# KiCad board backplane-breaout-big.kicad_pcb (continued)
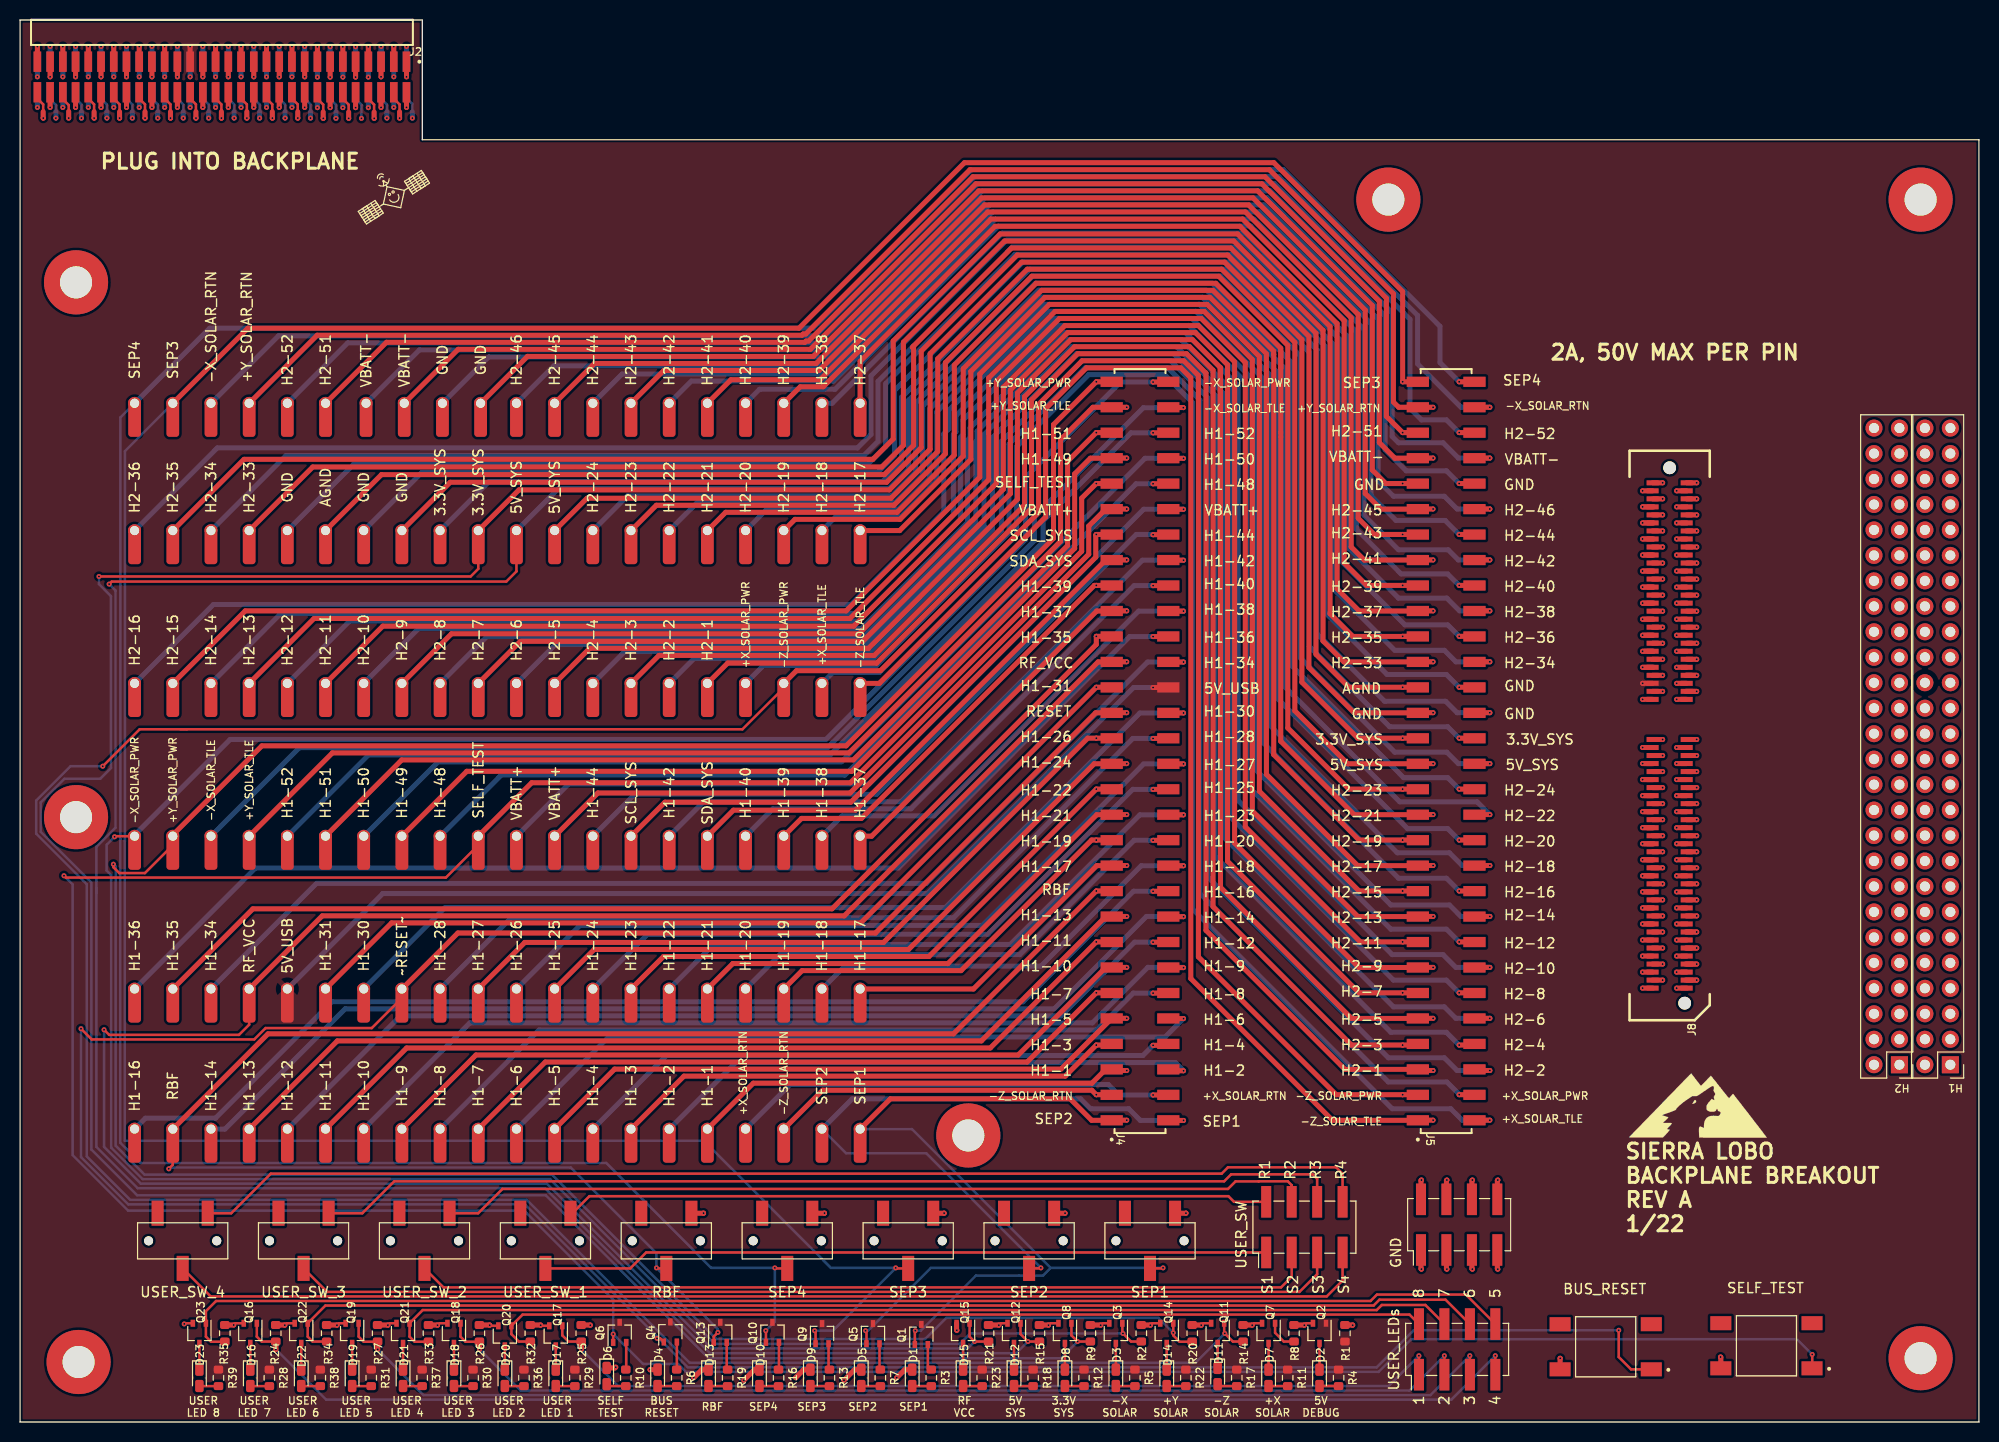
[diagram p0: board, top side]
## Routing (per net, layer and track width the routed paths; a pad name or vN(x,y) marks a point on that pad's centre or on a via; arc(x,y) is an arc through that point) (continued)
  In4.Cu w0.4: 184.58,44.5 186.23,44.5 H2.9
  In4.Cu w0.5: 30.86,129.54 30.86,127.13 36.46,121.53 82.31,121.53 96.27,107.57 96.27,91.82 87,82.55 46.98,82.55 TP14.1 ; v1(140.99,45.34) 142.82,47.17 151.35,47.17 157.75,53.57 163,53.57 163.6,52.97 164.4,52.97 165.1,53.67 v1(167.29,53.67) 176.46,44.5 184.58,44.5
  Bottom w0.5: 30.94,135.65 v1(30.94,137.16)
/H2-10: length 391.1
  Top w0.5: 145.12,45.34 v1(146.65,45.34) ; J8.28 v1(163.89,53.67)
  In2.Cu w0.5: v1(31.52,130.02) 31.52,124.69 37.98,118.23 82.56,118.23 96.14,104.65 96.14,94.68 82.49,81.03 41.65,81.03 TP74.1 ; H2.10 178.23,45.79 171.15,52.87 167.1,52.87 166.3,53.67 v1(163.89,53.67) 154.98,53.67 v1(146.65,45.34)
  Bottom w0.25: 31.52,130.84 31.52,131.39 30.94,131.97
  Bottom w0.5: v1(146.65,45.34) 143.26,45.34 141.99,46.61 136.91,46.61 121.54,61.98 121.54,103.38 116.25,108.67 104.33,108.67 94.78,99.12 94.78,98.18 94.53,97.93 94.53,89.7 83.95,79.12 39.75,79.12 TP74.1 ; v1(31.52,130.02) 31.52,130.03 31.52,130.65
/H2-11: length 411.8
  Top w0.5: J8.31 v1(167.29,55.27) ; TP16.1 36.19,79.37 83.19,79.37 97.41,93.6 97.41,103.76 103.71,110.06 117.85,110.06 122.25,105.66 122.25,59.36 133.73,47.88 v1(137.95,47.88) 139.47,47.88
  In4.Cu w0.25: v1(29.67,134.14) 29.09,133.56 29.09,130.85 29.59,130.35 29.59,129.67
  In4.Cu w0.4: H2.11 186.27,47.08 184.56,47.08
  In4.Cu w0.5: 29.59,129.67 29.59,127.13 35.89,120.82 81.87,120.82 95.5,107.19 95.5,92.2 86.67,83.37 40.19,83.37 TP16.1 ; v1(137.95,47.88) 139.44,49.37 150.35,49.37 156.15,55.17 162.95,55.17 163.55,54.57 164.4,54.57 165.1,55.27 v1(167.29,55.27) 175.48,47.08 184.56,47.08
  Bottom w0.5: 29.67,135.65 v1(29.67,134.14)
/H2-12: length 404.9
  Top w0.5: 162.75,55.27 v1(163.89,55.27) ; 145.12,47.88 v1(143.59,47.88)
  In2.Cu w0.25: 29.72,129.54 29.67,129.59 v1(29.67,131.09)
  In2.Cu w0.5: H2.12 177.69,48.33 171.55,54.47 167.1,54.47 166.3,55.27 v1(163.89,55.27) 154.35,55.27 146.96,47.88 v1(143.59,47.88) ; 29.72,129.54 29.72,125.22 37.53,117.41 82.39,117.41 95.38,104.42 95.38,95 82.11,81.73 34.73,81.73 TP76.1
  Bottom w0.5: TP76.1 32.89,79.88 83.69,79.88 93.83,90.02 93.83,98.22 94.08,98.47 94.08,99.92 103.53,109.37 116.61,109.37 122.43,103.55 122.43,63.5 136.78,49.15 142.32,49.15 v1(143.59,47.88) ; 29.67,132.6 v1(29.67,131.09)
/H2-13: length 425.8
  Top w0.5: 139.47,50.42 140.95,50.42 ; TP18.1 29.33,80.14 82.8,80.14 96.65,93.98 96.65,104.14 103.27,110.76 118.14,110.76 122.95,105.95 122.95,60.94 133.49,50.41 J5.17 ; J8.35 v1(167.29,56.87)
  In4.Cu w0.25: v1(28.4,137.19) 27.82,136.61 27.82,130.76 28.32,130.26 28.32,129.54
  In4.Cu w0.4: 184.56,49.58 186.23,49.58 H2.13
  In4.Cu w0.5: 184.56,49.58 174.58,49.58 v1(167.29,56.87) 164.89,56.87 164.18,56.17 163.6,56.17 163,56.77 155.05,56.77 149.4,51.12 141.69,51.12 v1(140.99,50.42) ; TP18.1 33.27,84.07 86.23,84.07 94.74,92.58 94.74,106.81 81.43,120.12 35.6,120.12 28.32,127.4 28.32,129.67
  Bottom w0.5: 28.4,135.68 v1(28.4,137.19)
/H2-14: length 416.5
  Top w0.5: 145.12,50.42 v1(146.65,50.42) ; J8.36 v1(163.89,56.87)
  In2.Cu w0.5: H2.14 177.25,50.87 172.05,56.07 167.1,56.07 166.3,56.87 v1(163.89,56.87) 153.1,56.87 v1(146.65,50.42) ; TP78.1 27.82,82.43 81.8,82.43 94.55,95.18 94.55,104.08 81.92,116.7 36.97,116.7 28.98,124.69 v1(28.98,130.05)
  Bottom w0.25: 28.98,130.86 28.98,131.42 28.4,132
  Bottom w0.5: v1(146.65,50.42) 143.76,50.42 142.62,51.56 136.78,51.56 123.18,65.16 123.18,103.79 116.9,110.08 103.09,110.08 93.38,100.36 93.38,98.76 93.12,98.51 93.12,90.46 83.31,80.64 26.03,80.64 TP78.1 ; v1(28.98,130.05) 28.98,130.05 28.98,130.68
/H2-15: length 436.9
  Top w0.5: TP20.1 22.47,80.9 82.42,80.9 95.76,94.23 95.76,104.52 102.7,111.46 118.43,111.46 123.66,106.24 123.66,62.91 133.6,52.96 v1(137.95,52.96) 139.47,52.96 ; J8.39 v1(167.29,58.47)
  In4.Cu w0.25: 27.05,129.54 27.05,130.26 26.55,130.76 26.55,133.59 v1(27.13,134.16)
  In4.Cu w0.4: H2.15 186.27,52.16 184.14,52.16
  In4.Cu w0.5: TP20.1 26.41,84.84 85.98,84.84 93.98,92.84 93.98,106.43 80.99,119.42 35.31,119.42 27.05,127.68 27.05,129.67 ; 184.44,52.16 173.6,52.16 v1(167.29,58.47) 165.1,58.47 164.4,57.77 163.6,57.77 163,58.37 153.35,58.37 148.85,53.87 138.86,53.87 v1(137.95,52.96)
  Bottom w0.5: v1(27.13,134.16) 27.13,135.67
/H2-16: length 429.1
  Top w0.5: 145.12,52.96 v1(143.59,52.96) ; J8.40 v1(163.89,58.47)
  In2.Cu w0.25: v1(27.13,131.11) 27.13,129.59 27.18,129.54
  In2.Cu w0.5: 27.18,129.54 27.18,125.5 36.73,115.95 81.68,115.95 93.79,103.84 93.79,95.72 81.21,83.13 20.9,83.13 TP80.1 ; v1(143.59,52.96) 146.74,52.96 152.25,58.47 v1(163.89,58.47) 166.3,58.47 167.1,57.67 172.65,57.67 176.91,53.41 H2.16
  Bottom w0.5: TP80.1 19.3,81.53 82.93,81.53 92.17,90.77 92.17,98.55 92.68,99.05 92.68,100.93 102.52,110.78 117.31,110.78 123.88,104.21 123.88,67.89 137.54,54.23 142.32,54.23 v1(143.59,52.96) ; J1.20 v1(27.13,131.11)
/H2-17: length 283.1
  Top w0.5: TP22.1 87.76,88.91 94.87,96.01 94.87,104.78 102.26,112.17 118.73,112.17 124.36,106.53 124.36,64.59 133.46,55.49 J5.21 ; 139.47,55.5 140.95,55.5 ; J8.43 v1(167.29,60.07)
  In4.Cu w0.25: v1(25.86,137.19) 25.28,136.61 25.28,130.76 25.87,130.17 25.87,129.5
  In4.Cu w0.4: H2.17 186.27,54.7 184.02,54.7
  In4.Cu w0.5: v1(140.99,55.5) 142.46,56.97 148.65,56.97 151.65,59.97 163,59.97 163.7,59.27 164.3,59.27 165.1,60.07 v1(167.29,60.07) 172.66,54.7 184.58,54.7 ; TP22.1 85.73,88.91 85.73,88.93 93.22,96.42 93.22,106.04 80.55,118.72 35.02,118.72 25.87,127.87 25.87,129.5
  Bottom w0.5: 25.86,135.68 v1(25.86,137.19)
/H2-18: length 274.1
  Top w0.5: J8.44 v1(163.89,60.07) ; 145.12,55.5 v1(146.65,55.5)
  In2.Cu w0.5: H2.18 176.67,55.95 173.35,59.27 167.1,59.27 166.3,60.07 v1(163.89,60.07) 151.22,60.07 v1(146.65,55.5) ; TP82.1 82.28,88.91 83.37,89.99 87.07,89.99 93.09,96.01 93.09,103.55 81.45,115.19 36.49,115.19 26.44,125.24 v1(26.44,130.05)
  Bottom w0.25: 25.86,132 26.44,131.42 26.44,130.86
  Bottom w0.5: 26.44,130.68 26.44,130.05 v1(26.44,130.05) ; TP82.1 81.38,90.27 87.85,90.27 91.47,93.88 91.47,100.74 102.2,111.48 117.65,111.48 124.59,104.54 124.59,69.6 137.41,56.77 142.62,56.77 143.89,55.5 v1(146.65,55.5)
/H2-19: length 293.3
  Top w0.5: 139.47,58.04 v1(137.95,58.04) 133.6,58.04 125.09,66.56 125.09,106.47 125.09,106.8 119.02,112.87 101.93,112.87 94.11,105.05 94.11,96.33 87.8,90.03 77.32,90.03 TP24.1 ; J8.47 v1(167.29,61.67)
  In4.Cu w0.25: v1(24.59,134.16) 24.01,133.59 24.01,130.8 24.6,130.22 24.6,129.58
  In4.Cu w0.4: 184.58,57.2 186.23,57.2 H2.19
  In4.Cu w0.5: 24.6,129.58 24.6,128.15 34.73,118.01 80.23,118.01 92.46,105.79 92.46,96.65 87.12,91.31 78.61,91.31 TP24.1 ; 184.58,57.2 171.76,57.2 v1(167.29,61.67) 165.05,61.67 164.35,60.97 163.6,60.97 163,61.57 150.35,61.57 148.66,59.88 139.79,59.88 v1(137.95,58.04)
  Bottom w0.5: 24.59,135.67 v1(24.59,134.16)
/H2-20: length 286.7
  Top w0.5: J8.48 v1(163.89,61.67) ; 145.12,58.04 v1(143.59,58.04)
  In2.Cu w0.25: v1(24.59,131.11) 24.59,129.59
  In2.Cu w0.5: TP84.1 74.18,90.7 86.78,90.7 92.26,96.18 92.26,103.21 81.43,114.05 36.64,114.05 24.59,126.1 24.59,129.59 ; H2.20 176.33,58.49 174.05,60.77 167.15,60.77 166.25,61.67 v1(163.89,61.67) 150.65,61.67 147.02,58.04 v1(143.59,58.04)
  Bottom w0.5: v1(143.59,58.04) 142.45,59.18 138.43,59.18 125.35,72.26 125.35,104.8 117.96,112.18 101.91,112.18 90.76,101.03 90.76,94.18 87.56,90.97 74.46,90.97 TP84.1 ; J1.24 v1(24.59,131.11)
/H2-21: length 309.9
  Top w0.5: J8.51 v1(167.29,63.27) ; 139.47,60.58 140.95,60.58 ; 125.79,105.09 125.79,98.7 125.79,98.24 125.79,67.89 133.12,60.57 J5.25 ; 125.79,105.09 125.79,106.89 ; 125.79,105.09 125.79,107.09 119.31,113.57 101.38,113.57 93.22,105.41 93.22,96.44 87.51,90.73 70.4,90.73 TP26.1
  In4.Cu w0.25: v1(23.32,137.19) 22.74,136.61 22.74,130.76 23.24,130.26 23.24,129.67
  In4.Cu w0.4: H2.21 186.27,59.78 184.54,59.78
  In4.Cu w0.5: TP26.1 71.75,92.07 86.74,92.07 91.69,97.03 91.69,105.54 79.92,117.31 33.82,117.31 23.24,127.89 23.24,129.67 ; 184.54,59.78 170.78,59.78 v1(167.29,63.27) 165.1,63.27 164.2,62.37 163.75,62.37 162.85,63.27 144.74,63.27 142.04,60.58 v1(140.99,60.58)
  Bottom w0.5: 23.32,135.68 v1(23.32,137.19)
/H2-22: length 298.6
  Top w0.5: 145.12,60.58 v1(146.65,60.58) ; J8.52 v1(163.89,63.27)
  In2.Cu w0.5: TP86.1 67.26,91.4 86.49,91.4 91.56,96.47 91.56,102.66 81.06,113.16 36.54,113.16 23.89,125.81 23.89,130.03 v1(23.9,130.05) ; v1(146.65,60.58) 149.34,63.27 v1(163.89,63.27) 166.3,63.27 167.1,62.47 174.35,62.47 175.79,61.03 H2.22
  Bottom w0.25: 23.32,132 23.9,131.42 23.9,130.86
  Bottom w0.5: 23.9,130.68 23.9,130.05 v1(23.9,130.05) ; TP86.1 67.54,91.68 87.27,91.68 90.06,94.47 90.06,101.32 101.62,112.89 118.38,112.89 126.11,105.16 126.11,73.41 137.67,61.85 145.38,61.85 v1(146.65,60.58)
/H2-23: length 319.5
  Top w0.5: 139.47,63.12 v1(137.95,63.12) 132.59,63.12 126.49,69.21 126.49,107.38 119.6,114.27 100.94,114.27 92.33,105.66 92.33,96.56 87.2,91.43 63.49,91.43 TP28.1 ; J8.55 v1(167.29,64.87)
  In4.Cu w0.25: v1(22.05,134.16) 21.47,133.59 21.47,130.76 21.97,130.26 21.97,129.54
  In4.Cu w0.4: H2.23 186.27,62.32 184.6,62.32
  In4.Cu w0.5: 21.97,129.67 21.97,127.51 32.87,116.61 79.48,116.61 90.93,105.16 90.93,97.41 86.36,92.84 64.89,92.84 TP28.1 ; 184.6,62.32 169.84,62.32 v1(167.29,64.87) 165.05,64.87 164.25,64.07 163.35,64.07 162.65,64.77 139.6,64.77 v1(137.95,63.12)
  Bottom w0.5: 22.05,135.67 v1(22.05,134.16)
/H2-24: length 312
  Top w0.5: v1(163.89,64.87) J8.56 ; 145.12,63.12 v1(143.59,63.12)
  In2.Cu w0.25: v1(22.05,131.11) 22.05,129.59 22.1,129.54
  In2.Cu w0.5: 22.1,129.54 22.1,126.36 36.12,112.34 80.88,112.34 90.86,102.37 90.86,96.76 86.2,92.1 60.35,92.1 TP88.1 ; v1(143.59,63.12) 147.3,63.12 149.05,64.87 v1(163.89,64.87) 166.3,64.87 167.1,64.07 184.48,64.07 H2.24
  Bottom w0.5: v1(143.59,63.12) 142.45,64.26 138.05,64.26 126.87,75.44 126.87,105.66 118.95,113.59 101.33,113.59 89.36,101.62 89.36,94.76 86.98,92.38 60.62,92.38 TP88.1 ; J1.28 v1(22.05,131.11)
/H2-25: length 334
  Top w0.5: J8.59 167.25,66.47 ; TP30.1 56.57,92.13 86.91,92.13 91.57,96.8 91.57,106.04 100.5,114.98 119.89,114.98 127.2,107.67 127.2,70.92 132.47,65.65 J5.29 ; 139.47,65.66 140.95,65.66
  In4.Cu w0.25: v1(20.78,137.19) 20.19,136.6 20.19,130.77 20.7,130.26 20.7,129.67
  In4.Cu w0.4: 184.5,64.82 186.23,64.82 H2.25
  In4.Cu w0.5: v1(140.99,65.66) 141.9,66.57 146.25,66.57 146.45,66.37 162.75,66.37 163.45,65.67 164.3,65.67 165.1,66.47 v1(167.29,66.47) 168.94,64.82 184.5,64.82 ; 20.7,129.67 20.7,126.75 31.54,115.9 79.04,115.9 90.17,104.77 90.17,97.79 85.98,93.6 58.03,93.6 TP30.1
  Bottom w0.5: 20.78,135.68 v1(20.78,137.19)
/H2-26: length 533.7
  Top w0.25: Q12.1 99.82,8.76 v1(100.56,8.02) R15.1 ; v1(8.89,83.57) 9.14,83.82 48.51,83.82 49.53,84.84 TP90.1
  Top w0.5: 145.12,65.66 v1(146.65,65.66) ; J8.60 v1(163.89,66.47)
  In2.Cu w0.5: v1(146.65,65.66) 147.46,66.47 v1(163.89,66.47) 166.05,66.47 166.85,65.67 168.85,65.67 169.29,66.11 H2.26 ; TP90.1 53.43,92.8 85.91,92.8 90.15,97.05 90.15,102.08 80.59,111.64 34.79,111.64 21.36,125.07 v1(21.36,130.05)
  Bottom w0.25: 7.62,52.7 7.62,53.34 ; 7.62,52.7 7.62,57.37 9.53,59.27 9.53,82.93 v1(8.89,83.57) ; 7.62,52.7 7.62,27.43 11.74,23.31 52.38,23.31 68.84,6.86 99.4,6.86 v1(100.56,8.02) ; 20.78,132 21.36,131.42 21.36,130.86
  Bottom w0.5: v1(21.36,130.05) 21.36,130.05 21.36,130.68 ; TP90.1 53.71,93.08 86.69,93.08 88.65,95.05 88.65,101.91 101.04,114.29 119.77,114.29 127.76,106.3 127.76,76.2 137.16,66.8 142.37,66.8 143.51,65.66 v1(146.65,65.66)
/H2-27: length 562.7
  Top w0.25: Q8.1 104.9,8.63 v1(105.52,8.02) R9.1 ; TP32.1 45.72,85.09 44.96,84.33 v1(7.87,84.33)
  Top w0.5: TP32.1 49.78,92.96 86.74,92.96 90.81,97.03 90.81,106.55 99.93,115.68 120.18,115.68 127.9,107.96 127.9,73.78 133.48,68.2 v1(137.95,68.2) 139.47,68.2 ; v1(167.29,68.07) J8.63
  In4.Cu w0.25: 19.43,129.54 19.43,130.26 18.82,130.87 18.82,133.47 v1(19.51,134.16)
  In4.Cu w0.4: H2.27 186.24,67.37 184.45,67.37
  In4.Cu w0.5: 184.45,67.37 167.99,67.37 v1(167.29,68.07) 167.29,68.13 166.35,69.07 138.82,69.07 v1(137.95,68.2) ; TP32.1 51.18,94.36 85.6,94.36 89.28,98.04 89.28,104.65 78.73,115.2 30.72,115.2 19.43,126.49 19.43,129.54
  Bottom w0.25: v1(7.87,84.33) 7.87,83.57 9.07,82.37 9.07,65.22 8,64.15 4.43,64.15 2.06,61.79 2.06,58.86 7.11,53.81 7.11,27.18 11.68,22.61 52.45,22.61 68.71,6.35 103.85,6.35 v1(105.52,8.02)
  Bottom w0.5: v1(19.51,134.16) 19.51,135.67
/H2-28: length 339.1
  Top w0.5: J8.64 v1(163.89,68.07) ; 145.12,68.2 v1(143.59,68.2)
  In2.Cu w0.25: 19.56,129.54 19.51,129.59 v1(19.51,131.11)
  In2.Cu w0.5: TP92.1 46.51,93.51 85.62,93.51 89.41,97.3 89.41,101.83 80.3,110.94 34.45,110.94 19.56,125.83 19.56,129.54 ; 184.76,68.87 166.65,68.87 165.85,68.07 v1(163.89,68.07) 163.76,68.2 v1(143.59,68.2)
  Bottom w0.5: J1.32 v1(19.51,131.11) ; TP92.1 46.79,93.79 86.04,93.79 87.95,95.7 87.95,102.2 100.75,114.99 120.34,114.99 128.65,106.68 128.65,77.34 136.65,69.34 142.45,69.34 v1(143.59,68.2)
/H2-33: length 389.2
  Top w0.5: J8.75 v1(167.29,76.07) ; 139.47,75.82 140.95,75.82 ; J5.37 132.09,75.81 130.01,77.89 130.01,108.88 121.1,117.79 98.23,117.79 88.14,107.7 88.14,97.41 85.98,95.25 29.2,95.25 TP38.1
  In4.Cu w0.25: 15.62,129.41 15.62,130.26 15.12,130.76 15.12,136.61 v1(15.7,137.19)
  In4.Cu w0.4: H2.33 186.27,75.02 183.7,75.02
  In4.Cu w0.5: TP38.1 30.6,96.65 84.71,96.65 86.81,98.75 86.81,104.05 77.76,113.09 28.51,113.09 15.62,125.98 15.62,129.67 ; 184.6,75.02 168.34,75.02 v1(167.29,76.07) 165.1,76.07 164.4,75.37 163.55,75.37 162.89,76.03 148.79,76.03 148.15,76.67 141.84,76.67 v1(140.99,75.82)
  Bottom w0.5: 15.7,135.68 v1(15.7,137.19)
/H2-34: length 378.4
  Top w0.5: J8.76 v1(163.89,76.07) ; 145.12,75.82 v1(146.65,75.82)
  In2.Cu w0.5: H2.34 170.65,76.27 170.15,76.77 167,76.77 166.3,76.07 v1(163.89,76.07) 146.9,76.07 v1(146.65,75.82) ; v1(16.28,130.05) 16.28,124.56 32.21,108.64 79.45,108.64 87.12,100.96 87.12,98.3 83.95,95.12 25.27,95.12 TP98.1
  Bottom w0.25: 16.28,130.86 16.28,131.42 15.7,132
  Bottom w0.5: v1(146.65,75.82) 143.26,75.82 142.11,76.96 137.16,76.96 130.94,83.18 130.94,107.57 121.33,117.17 98.99,117.17 85.61,103.79 85.61,97.8 84.2,96.39 26.54,96.39 TP98.1 ; v1(16.28,130.05) 16.28,130.05 16.28,130.68
/H2-35: length 400.4
  Top w0.5: J5.39 132.98,78.35 130.71,80.62 130.71,109.26 121.48,118.49 97.79,118.49 87.12,107.82 87.12,98.04 85.09,96.01 22.35,96.01 TP40.1 ; J8.79 v1(167.29,77.67) ; 139.47,78.36 v1(137.95,78.36)
  In4.Cu w0.25: v1(14.43,134.16) 13.85,133.59 13.85,130.76 14.35,130.26 14.35,129.29
  In4.Cu w0.4: H2.35 186.27,77.56 184.56,77.56
  In4.Cu w0.5: v1(137.95,78.36) 138.74,77.57 162.8,77.57 163.5,76.87 164.25,76.87 165.05,77.67 v1(167.29,77.67) 167.4,77.56 184.56,77.56 ; 14.35,129.67 14.35,126.11 28.07,112.39 77.47,112.39 86.11,103.76 86.11,99.06 84.46,97.41 23.74,97.41 TP40.1
  Bottom w0.5: v1(14.43,134.16) 14.43,135.67
/H2-36: length 391.4
  Top w0.5: J8.80 v1(163.89,77.67) ; 145.12,78.36 v1(143.59,78.36)
  In2.Cu w0.25: v1(14.43,131.11) 14.43,129.59 14.48,129.54
  In2.Cu w0.5: v1(143.59,78.36) 144.28,77.67 v1(163.89,77.67) 166.3,77.67 167.1,78.47 184.64,78.47 ; 14.48,129.54 14.48,125.35 32.12,107.71 79.26,107.71 86.36,100.6 86.36,98.55 83.69,95.88 18.41,95.88 TP100.1
  Bottom w0.5: TP100.1 19.68,97.15 83.57,97.15 84.91,98.5 84.91,104.34 98.45,117.88 121.77,117.88 131.76,107.89 131.76,85.92 138.18,79.5 142.45,79.5 v1(143.59,78.36) ; J1.40 v1(14.43,131.11)
/H2-37: length 243.5
  Top w0.5: 139.47,80.9 140.95,80.9 ; TP42.1 83.82,105.79 97.28,119.25 121.71,119.25 131.41,109.55 131.41,83.09 133.62,80.89 J5.41 ; J8.83 v1(167.29,79.27)
  In4.Cu w0.25: 13.08,129.29 13.08,130.26 12.58,130.76 12.58,136.61 v1(13.16,137.19)
  In4.Cu w0.4: 183.62,80.1 186.27,80.1 H2.37
  In4.Cu w0.5: 13.08,129.67 13.08,125.6 27,111.69 73.74,111.69 TP42.1 ; 184.58,80.1 168.12,80.1 v1(167.29,79.27) 165.1,79.27 164.4,78.57 163.6,78.57 163,79.17 142.72,79.17 v1(140.99,80.9)
  Bottom w0.5: 13.16,135.68 v1(13.16,137.19)
/H2-38: length 227
  Top w0.5: J8.84 v1(163.89,79.27) ; 145.12,80.9 v1(146.65,80.9)
  In2.Cu w0.5: H2.38 177.43,81.35 176.15,80.07 167.1,80.07 166.3,79.27 v1(163.89,79.27) 148.28,79.27 v1(146.65,80.9) ; TP102.1 74.71,106.91 31.9,106.91 13.74,125.07 v1(13.74,130.05)
  Bottom w0.25: 13.74,130.86 13.74,131.42 13.16,132
  Bottom w0.5: v1(13.74,130.05) 13.74,130.05 13.74,130.68 ; TP102.1 81.03,101.61 98.01,118.58 122.15,118.58 132.59,108.14 132.59,87.12 137.54,82.17 142.37,82.17 143.64,80.9 v1(146.65,80.9)
/H2-39: length 238.7
  Top w0.5: J8.87 v1(167.29,80.87) ; TP44.1 77.85,103.25 80.14,103.25 96.87,119.98 121.98,119.98 132.11,109.84 132.11,85.69 134.37,83.44 v1(137.95,83.44) 139.47,83.44
  In4.Cu w0.25: v1(11.89,134.16) 11.31,133.59 11.31,130.76 11.81,130.26 11.81,129.41
  In4.Cu w0.4: H2.39 186.27,82.64 184.62,82.64
  In4.Cu w0.5: TP44.1 66.82,110.99 26.5,110.99 11.81,125.68 11.81,129.67 ; 184.62,82.64 169.06,82.64 v1(167.29,80.87) 165.1,80.87 164.4,80.17 163.55,80.17 162.95,80.77 147.77,80.77 145.81,82.74 138.65,82.74 v1(137.95,83.44)
  Bottom w0.5: 11.89,135.67 v1(11.89,134.16)
/H2-40: length 228.5
  Top w0.5: J8.88 v1(163.89,80.87) ; 145.12,83.44 v1(143.59,83.44)
  In2.Cu w0.25: 11.94,129.54 11.89,129.59 v1(11.89,131.11)
  In2.Cu w0.5: H2.40 177.37,83.89 175.15,81.67 167.1,81.67 166.3,80.87 v1(163.89,80.87) 149.85,80.87 147.25,83.47 ; 11.94,129.54 11.94,125.73 31.46,106.21 67.79,106.21 TP104.1 ; v1(143.59,83.44) 147.28,83.44
  Bottom w0.5: v1(143.59,83.44) 142.45,84.58 137.8,84.58 133.35,89.03 133.35,108.71 122.78,119.28 97.6,119.28 81.32,103 73.78,103 TP104.1 ; J1.44 v1(11.89,131.11)
/H2-41: length 240.9
  Top w0.5: J5.45 134.12,85.97 132.82,87.27 132.82,110.13 122.27,120.68 96.55,120.68 79.82,103.95 70.93,103.95 TP46.1 ; 139.47,85.98 140.95,85.98 ; J8.91 v1(167.29,82.47)
  In4.Cu w0.25: v1(10.62,137.19) 10.04,136.61 10.04,130.76 10.54,130.26 10.54,129.41
  In4.Cu w0.4: H2.41 186.26,85.17 184.55,85.17
  In4.Cu w0.5: 10.54,129.67 10.54,125.96 26.21,110.28 59.9,110.28 TP46.1 ; 184.55,85.17 169.99,85.17 v1(167.29,82.47) 165.1,82.47 164.34,81.71 163.66,81.71 163,82.37 149.25,82.37 147.25,84.37 142.6,84.37 v1(140.99,85.98)
  Bottom w0.5: 10.62,135.68 v1(10.62,137.19)
/H2-42: length 228.4
  Top w0.5: J8.92 v1(163.89,82.47) ; 145.12,85.98 v1(146.65,85.98)
  In2.Cu w0.5: H2.42 176.79,86.43 173.63,83.27 167.1,83.27 166.3,82.47 v1(163.89,82.47) 150.16,82.47 v1(146.65,85.98) ; v1(11.2,130.05) 11.2,125.47 31.17,105.5 60.87,105.5 TP106.1
  Bottom w0.25: 10.62,132 11.2,131.42 11.2,130.86
  Bottom w0.5: TP106.1 66.98,103.82 81.15,103.82 97.31,119.99 123.09,119.99 134.1,108.98 134.1,90.44 137.54,86.99 142.49,86.99 143.51,85.98 v1(146.65,85.98) ; v1(11.2,130.05) 11.2,130.05 11.2,130.68
/H2-43: length 239
  Top w0.5: 139.47,88.52 v1(137.95,88.52) 135.13,88.52 133.52,90.13 133.52,110.45 122.58,121.39 96.23,121.39 79.72,104.88 64.23,104.88 TP48.1 ; J8.95 v1(167.29,84.07)
  In4.Cu w0.25: 9.36,129.45 9.36,130.17 8.77,130.76 8.77,133.59 v1(9.35,134.16)
  In4.Cu w0.4: 184.56,87.68 186.23,87.68 H2.43
  In4.Cu w0.5: 9.36,129.45 9.36,126.15 26.03,109.47 53.09,109.47 TP48.1 ; 184.56,87.68 170.9,87.68 v1(167.29,84.07) 165.1,84.07 164.4,83.37 163.6,83.37 163,83.97 150.77,83.97 147.55,87.19 139.27,87.19 v1(137.95,88.52)
  Bottom w0.5: v1(9.35,134.16) 9.35,135.67
/H2-44: length 230.2
  Top w0.5: J8.96 v1(163.89,84.07) ; 145.12,88.52 v1(143.59,88.52)
  In2.Cu w0.25: 9.4,129.54 9.35,129.59 v1(9.35,131.11)
  In2.Cu w0.5: 9.4,129.54 9.4,125.73 30.33,104.8 53.95,104.8 TP108.1 ; v1(143.59,88.52) 146.4,88.52 150.85,84.07 v1(163.89,84.07) 165.75,84.07 166.55,84.87 172.55,84.87 176.65,88.97 H2.44
  Bottom w0.5: v1(143.59,88.52) 142.19,89.92 137.29,89.92 134.8,92.41 134.8,109.55 123.66,120.69 97.02,120.69 80.85,104.52 60.07,104.52 TP108.1 ; J1.48 v1(9.35,131.11)
/H2-45: length 242.2
  Top w0.5: TP50.1 57.31,105.58 79.43,105.58 95.94,122.09 123.02,122.09 134.22,110.89 134.22,92.6 135.78,91.05 J5.49 ; 139.47,91.06 140.95,91.06 ; J8.99 v1(167.29,85.67)
  In4.Cu w0.25: v1(8.08,137.19) 7.5,136.61 7.5,130.76 8,130.26 8,129.67
  In4.Cu w0.4: 186.23,90.22 183.4,90.22 ; H2.45 186.28,90.27
  In4.Cu w0.5: 183.4,90.22 184.5,90.22 ; 53.33,101.61 46.48,108.46 26.05,108.46 8,126.51 8,129.67 ; v1(140.99,91.06) 142.43,89.62 146.9,89.62 150.75,85.77 162.8,85.77 163.6,84.97 164.4,84.97 165.1,85.67 v1(167.29,85.67) 171.84,90.22 183.9,90.22
  Bottom w0.5: 8.08,135.68 v1(8.08,137.19)
/H2-46: length 230.2
  Top w0.5: 145.12,91.06 v1(146.65,91.06) ; J8.100 v1(163.89,85.67)
  In2.Cu w0.5: v1(8.66,130.05) 8.66,125.45 30.01,104.1 47.04,104.1 TP110.1 ; H2.46 176.69,91.51 171.65,86.47 166.75,86.47 165.95,85.67 v1(163.89,85.67) 152.04,85.67 v1(146.65,91.06)
  Bottom w0.25: 8.66,130.86 8.66,131.42 8.08,132
  Bottom w0.5: v1(146.65,91.06) 143.38,91.06 142.11,92.33 137.03,92.33 135.5,93.86 135.5,109.99 124.1,121.39 96.73,121.39 80.68,105.34 53.27,105.34 TP110.1 ; v1(8.66,130.05) 8.66,130.05 8.66,130.68
/H2-49: length 241.2
  Top w0.5: TP54.1 43.71,106.98 78.85,106.98 95.36,123.49 123.9,123.49 135.63,111.77 135.63,97.67 137.17,96.13 J5.53 ; 139.47,96.14 140.95,96.14 ; J8.107 v1(167.29,88.87)
  In4.Cu w0.25: 5.46,129.41 5.46,130.3 4.96,130.8 4.96,136.61 v1(5.54,137.19)
  In4.Cu w0.4: 184.48,95.3 186.23,95.3 H2.49
  In4.Cu w0.5: v1(140.99,96.14) 142.56,94.57 146.25,94.57 151.95,88.87 162.55,88.87 163.35,88.07 164.15,88.07 164.95,88.87 v1(167.29,88.87) 173.72,95.3 184.48,95.3 ; TP54.1 33.58,106.36 26.16,106.36 5.46,127.06 5.46,129.41
  Bottom w0.5: 5.54,135.68 v1(5.54,137.19)
/H2-50: length 231.6
  Top w0.5: J8.108 v1(163.89,88.87) ; 145.12,96.14 v1(146.65,96.14)
  In2.Cu w0.5: H2.50 177.17,96.59 170.25,89.67 167.05,89.67 166.25,88.87 v1(163.89,88.87) 153.92,88.87 v1(146.65,96.14) ; TP114.1 33.44,102.69 28.12,102.69 6.12,124.69 v1(6.12,130.05)
  Bottom w0.25: 5.54,132 6.12,131.42 6.12,130.86
  Bottom w0.5: v1(146.65,96.14) 143.51,96.14 141.99,97.66 137.54,97.66 136.91,98.3 136.91,110.62 124.73,122.8 96,122.8 80.13,106.93 39.85,106.93 TP114.1 ; v1(6.12,130.05) 6.12,130.05 6.12,130.68
/H2-51: length 240.6
  Top w0.5: 139.47,98.68 v1(137.95,98.68) 136.33,100.3 136.33,112.08 124.21,124.2 95.07,124.2 78.69,107.81 78.43,107.81 78.31,107.69 36.56,107.69 TP56.1 ; J8.111 v1(167.29,90.47)
  In4.Cu w0.25: v1(4.27,134.16) 3.69,133.59 3.69,130.75 4.19,130.25 4.19,129.41
  In4.Cu w0.4: 183.94,97.88 186.27,97.88 H2.51
  In4.Cu w0.5: 184.56,97.88 174.7,97.88 v1(167.29,90.47) 165.1,90.47 164.3,89.67 162.89,89.67 162.18,90.37 153.85,90.37 146.65,97.57 139.06,97.57 v1(137.95,98.68) ; TP56.1 27.25,104.84 26.69,104.84 4.19,127.34 4.19,129.67
  Bottom w0.5: 4.27,135.67 v1(4.27,134.16)
/H2-52: length 232.7
  Top w0.5: 145.12,98.68 v1(143.59,98.68) ; J8.112 v1(163.89,90.47)
  In2.Cu w0.25: v1(4.27,131.11) 4.27,129.59 4.32,129.54
  In2.Cu w0.5: v1(143.59,98.68) 146.14,98.68 154.35,90.47 v1(163.89,90.47) 166.3,90.47 167.1,91.27 169.65,91.27 177.51,99.13 H2.52 ; 4.32,129.54 4.32,125.3 26.67,102.95 TP116.1
  Bottom w0.5: v1(143.59,98.68) 142.32,99.95 139.83,99.95 138.68,101.09 138.68,109.98 125.17,123.5 95.56,123.5 79.69,107.63 32.69,107.63 TP116.1 ; J1.56 v1(4.27,131.11)
/RBF: length 496.1
  Top w0.25: 69.22,7.94 69.22,8.52 v1(69.63,8.93) ; 27.13,132 27.71,131.42 27.71,130.68 ; SW11.2 63.55,15.32 v1(63.5,15.37) ; v1(14.84,25.25) 15.24,25.65 TP19.1
  Top w0.5: 27.71,130.68 27.71,130.05 v1(27.71,130.05) ; 108.9,52.96 v1(107.38,52.96) 93.14,38.71 24.74,38.71 TP19.1 ; J8.37 v1(165.29,57.67)
  In1.Cu w0.4: 184.46,54.66 191.35,54.66 H1.15
  In1.Cu w0.5: 184.46,54.66 177.76,54.66 174.75,57.67 v1(165.29,57.67) 162.95,57.67 162.05,56.77 151.55,56.77 149.15,54.37 108.8,54.37 v1(107.38,52.96) ; TP19.1 22.48,36.45 78.79,36.45 99.64,57.31 99.64,107.55 89.39,117.81 33.2,117.81 27.71,123.29 v1(27.71,130.05)
  Bottom w0.25: v1(14.84,25.25) 14.97,25.38 54.94,25.38 63.5,16.82 v1(63.5,15.37) 69.63,9.24 v1(69.63,8.93)
/SELF_TEST: length 613.9
  Top w0.25: v1(59.18,8.76) 59.18,8.76 Q6.1 ; 6.81,132 7.39,131.42 7.39,130.68 ; v1(178.82,6.73) 178.82,5.36 ; 45.72,57.53 42.48,54.29 4.57,54.29 v1(4.38,54.48)
  Top w0.5: 108.9,93.6 v1(107.38,93.6) 105.93,92.14 105.93,86.84 82.84,63.75 51.05,63.75 TP51.1 ; 7.39,130.68 7.39,130.05 v1(7.39,130.05) ; J8.101 v1(165.29,86.47)
  In1.Cu w0.4: H1.47 191.35,95.3 183.68,95.3
  In1.Cu w0.5: 184.58,95.3 176.68,95.3 167.85,86.47 v1(165.29,86.47) 162.89,86.47 162.09,87.27 157.85,87.27 152.25,92.87 108.11,92.87 v1(107.38,93.6) ; v1(7.39,130.05) 7.39,123.61 24.82,106.19 84.97,106.19 88.29,102.87 88.29,68.73 81.91,62.36 49.65,62.36 TP51.1
  Bottom w0.25: v1(4.38,54.48) 5.25,53.62 5.25,26.62 10.78,21.08 50.29,21.08 59.18,12.19 v1(59.18,8.76) 62.16,5.78 65.65,5.78 66.44,4.99 135.55,4.99 138.81,8.25 177.29,8.25 v1(178.82,6.73)
/SEP1: length 315.7
  Top w0.25: v1(89.33,9.1) 89.28,9.06 Q1.1 ; v1(114.05,15.37) 113.99,15.32 SW7.2
  Top w0.5: TP1.1 86.84,32.23 104.78,32.23 106.92,30.09 J4.1 ; J8.1 v1(165.29,43.27) ; 108.9,30.1 110.38,30.1 ; v1(38.56,131.11) J2.1
  In1.Cu w0.25: v1(38.56,131.11) 38.56,129.71 38.61,129.67
  In1.Cu w0.5: v1(165.29,43.27) 163.65,43.27 151.18,30.8 111.13,30.8 v1(110.43,30.1) ; TP1.1 106.02,51.41 106.02,110.25 92.15,124.13 40.21,124.13 38.61,125.73 38.61,129.54
  Bottom w0.25: 102.83,15.37 88.99,29.21 TP1.1 ; 102.83,15.37 v1(114.05,15.37) ; 102.83,15.37 102.07,14.6 95.38,14.6 89.88,9.1 v1(89.33,9.1)
